# KiCad board jetson-agx-thor-baseboard.kicad_pcb (continued)
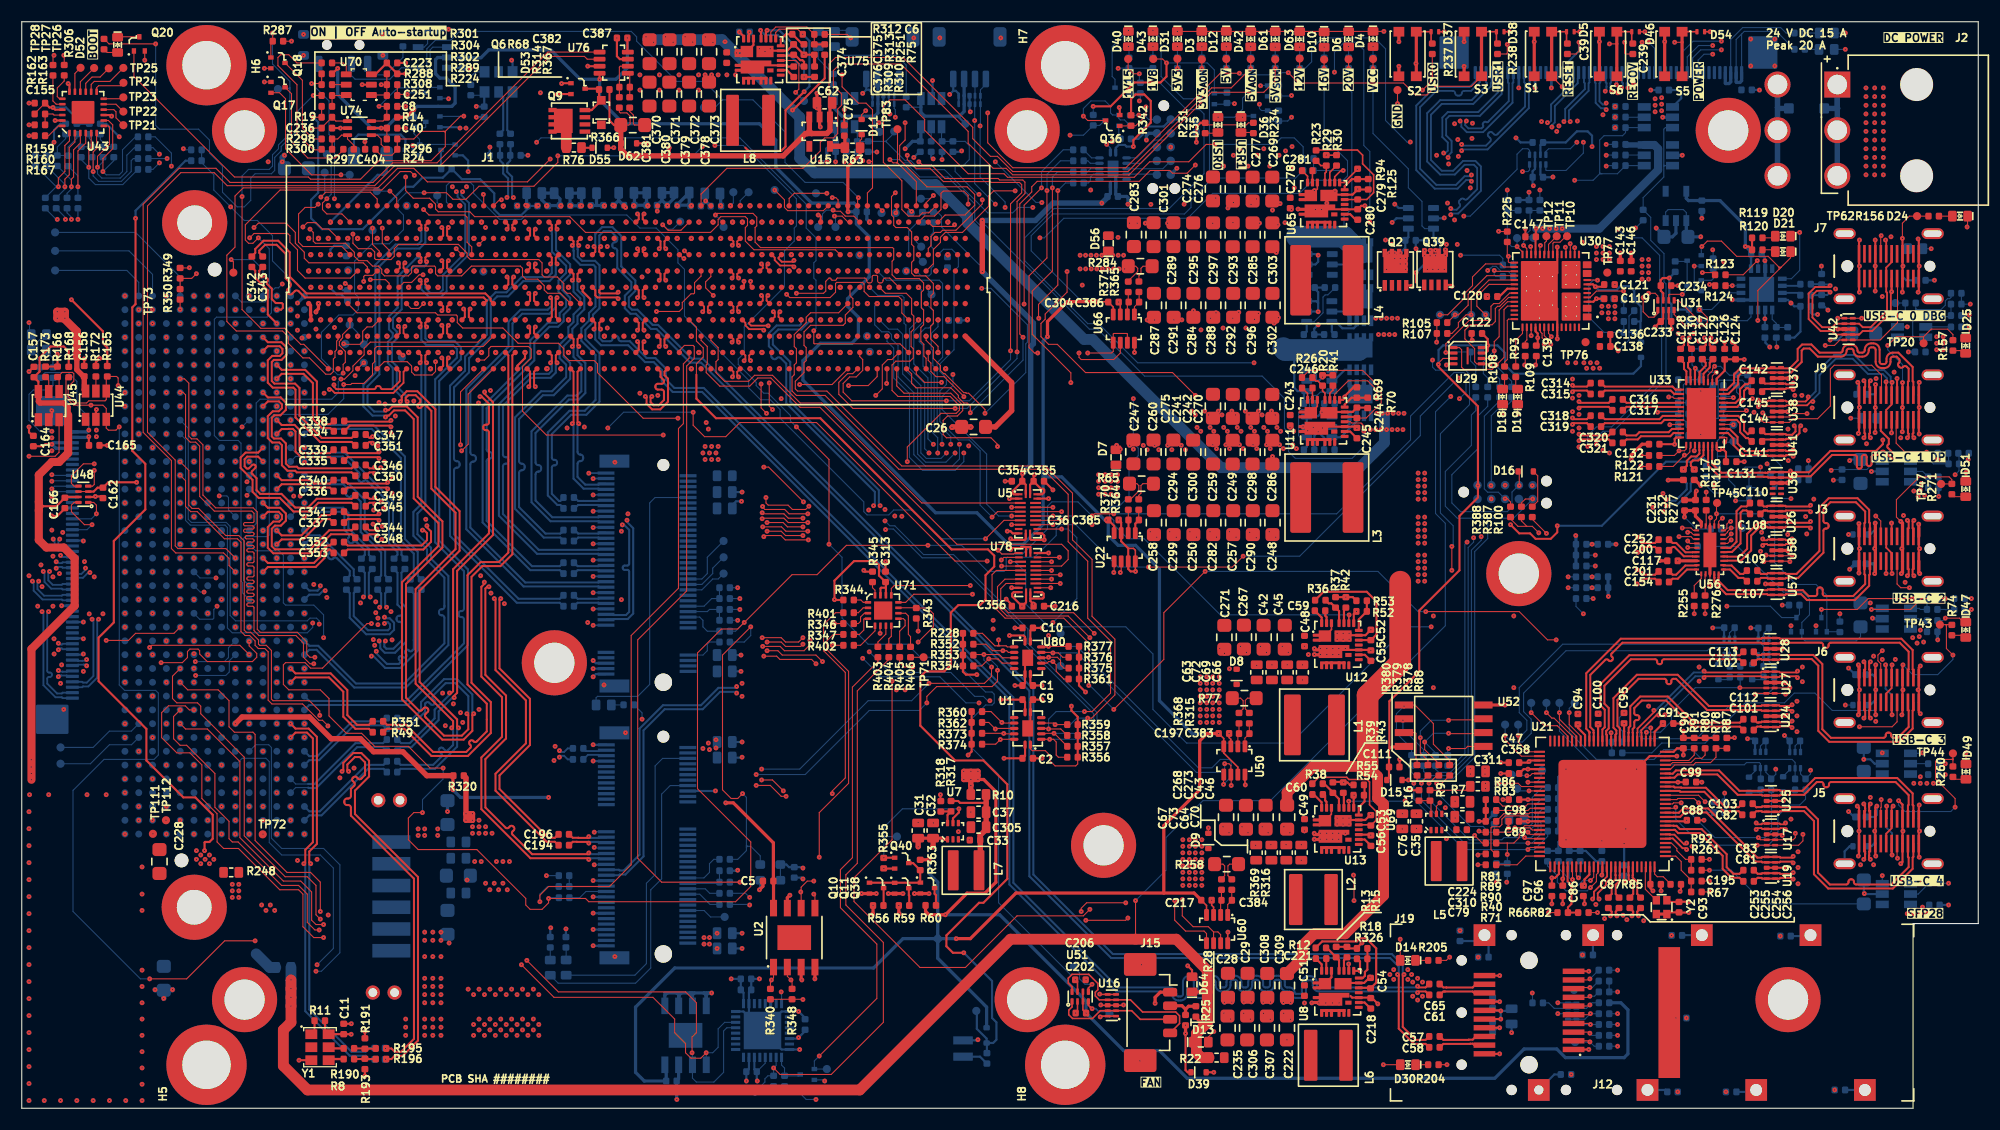
[diagram p0: board, top side]
## Routing (per net, layer and track width the routed paths; a pad name or vN(x,y) marks a point on that pad's centre or on a via; arc(x,y) is an arc through that point) (continued)
/USB DP Alt mode/USBC1_TX2_P: length 4.1
  Top w0.19: C142.1 159.13,66.96 158.81,66.65 158.54,66.65 158.08,66.19 158.08,65.34 157.67,64.92 156.9,64.92 156.88,64.94 U33.37
/USB DP Alt mode/USBC1_VBUS: length 23.7
  Top w0.1: v1(171.67,70.21) 172.47,71.01 174.97,71.01 ; 174.97,71.01 175.67,71.71 177.17,71.71 177.67,71.21 R157.2 ; 174.97,71.01 TP20.1
  Top w0.2: v1(173.01,62.26) 173.03,62.28 J9.B4 173.03,64.48 v1(173.02,64.49) 173.03,64.5 J9.A9 v1(173.03,66.79) ; v1(170.55,66.61) 170.53,66.59 J9.A4 v1(170.53,64.49) J9.B9 170.53,62.21 v1(170.51,62.19)
  Bottom w0.1: v1(171.67,70.21) 171.67,69.81 173.03,68.45 v1(173.03,66.79) ; 170.47,63.51 170.53,63.57
  Bottom w0.2: v1(170.55,66.61) 170.55,65.79 170.47,65.71 C153.1 ; v1(170.53,64.49) 170.53,63.65 D22.1
  vias: v1(145.37,73.81) v1(145.37,73.21) v1(145.97,73.81) v1(145.97,73.21) v1(145.97,72.66) v1(146.57,73.81) v1(146.57,73.21) v1(146.57,72.66)
/USB DP Alt mode/USBC_HPD: length 38.6
  In5.Cu w0.1: v1(134.87,77.11) 134.87,76.41 136.37,74.91 136.37,67.01 143.12,60.26 144.62,60.26 145.32,60.96 149.67,60.96 152.42,58.21 154.77,58.21 v1(155.67,57.31)
  Bottom w0.1: 135.15,77.33 135.07,77.24 135.07,77.21 ; 135.15,77.33 135.31,77.49 135.64,77.49 136.1,77.02 136.76,77.02 R106.1 ; 135.15,77.33 135.09,77.33 v1(134.87,77.11) ; R227.1 156,57.64 v1(155.67,57.31)
/USB DP Alt mode/USBSS1_RX_C_N: length 2.5
  Top w0.19: C129.2 155.59,68.92 155.29,68.62 155.29,68.17 154.72,67.6 154.72,67.3 154.74,67.29 U33.4
/USB DP Alt mode/USBSS1_RX_C_P: length 2.5
  Top w0.19: C127.2 154.62,68.92 154.92,68.62 154.92,68.33 154.35,67.75 154.35,67.3 154.33,67.29 U33.5
/USB DP Alt mode/USBSS1_TX_C_N: length 2.3
  Top w0.19: C130.2 153.61,68.91 153.3,68.6 153.3,68.19 153.52,67.97 153.52,67.3 153.54,67.29 U33.7
/USB DP Alt mode/USBSS1_TX_C_P: length 2.3
  Top w0.19: U33.8 153.14,67.29 153.15,67.3 153.15,67.82 152.93,68.04 152.93,68.6 152.61,68.91 C128.2
/USB Hub/CFG_STRAP1: length 6.9
  Top w0.1: R87.1 R78.2 155.87,32.31 155.37,31.81 153.99,31.81 153.78,31.6 152.08,31.6 151.69,31.21 U21.21
/USB Hub/CFG_STRAP2: length 4.7
  Top w0.1: U21.22 151.67,31.61 151.87,31.81 153.57,31.81 153.97,32.21 154.57,32.21 154.87,32.51 R80.2
/USB Hub/CFG_STRAP3: length 3.5
  Top w0.1: R91.2 153.87,32.51 153.37,32.01 U21.23
/USB Hub/DP1_DISCH: length 5.6
  Top w0.1: v1(138.87,36.41) 140.07,35.21 141.27,35.21 142.22,34.26 U21.46
  Bottom w0.1: v1(138.87,36.41) TP66.1
/USB Hub/DP1_VCONN1: length 30.2
  Top w0.1: v1(142.37,36.41) 142.37,35.31 143.42,34.26 U21.43
  Bottom w0.1: R334.1 Q27.2 163.15,31.83 162.87,32.11 154.57,32.11 153.67,33.01 151.07,33.01 150.17,32.11 144.87,32.11 142.37,34.61 v1(142.37,36.41) 142.37,36.81 TP67.1
/USB Hub/DP1_VCONN2: length 27.2
  Top w0.1: v1(141.47,36.41) 141.47,35.81 143.02,34.26 U21.44
  Bottom w0.1: TP68.1 v1(141.47,36.41) 141.47,34.71 144.57,31.61 158.47,31.61 158.67,31.81 159.87,31.81 159.96,31.72 Q29.2 159.99,31.28 R335.1
/USB Hub/DP2_DISCH: length 4.6
  Top w0.1: U21.45 142.62,34.26 140.97,35.91 140.77,35.91 v1(140.27,36.41)
  Bottom w0.1: TP65.1 v1(140.27,36.41)
/USB Hub/DP2_VCONN1: length 35.2
  Top w0.1: v1(137.67,34.31) 137.67,33.71 138.57,32.81 U21.51
  Bottom w0.1: R328.1 160.25,41.69 160.25,42.53 160.07,42.71 141.77,42.71 137.77,38.71 137.77,36.41 138.47,35.71 138.47,34.81 137.97,34.31 v1(137.67,34.31) TP69.1
/USB Hub/DP2_VCONN2: length 34.5
  Top w0.1: v1(136.47,34.31) 136.47,33.91 137.97,32.41 U21.52
  Bottom w0.1: TP70.1 v1(136.47,34.31) 137.07,33.71 138.07,33.71 138.87,34.51 138.87,35.81 138.17,36.51 138.17,38.21 142.07,42.11 155.07,42.11 155.37,42.41 156.97,42.41 157.11,42.27 Q26.2 157.14,41.69 R329.1
/USB Hub/HUB_SPI_CE_N: length 7.7
  Top w0.1: 136.67,24.41 137.27,24.41 137.77,24.91 137.77,25.21 138.37,25.81 138.77,25.81 138.97,25.61 U21.69 ; 136.67,24.41 v1(136.67,23.36) ; 136.67,24.41 R90.1
  Bottom w0.1: v1(136.67,23.36) R322.2 R321.1
/USB Hub/HUB_SPI_CLK: length 10.2
  Top w0.1: U21.68 138.27,26.01 138.07,25.81 v1(137.37,25.81) 136.97,25.41 R89.1
  Bottom w0.1: R325.2 139.87,29.51 138.97,28.61 138.97,26.21 138.57,25.81 v1(137.37,25.81)
/USB Hub/HUB_SPI_D0: length 18.3
  Top w0.1: v1(130.17,29.91) 130.65,29.91 R88.1 ; v1(138.57,25.41) 138.77,25.21 U21.70
  Bottom w0.1: R324.2 139.87,28.51 139.27,27.91 139.27,26.11 v1(138.57,25.41) 135.47,25.41 ; 135.47,25.41 134.97,25.41 134.44,25.94 133.29,25.94 130.17,29.06 v1(130.17,29.91) ; 135.47,25.41 R323.1
/USB Hub/HUB_SPI_D1: length 19
  Top w0.1: v1(138.27,24.91) 138.37,24.81 U21.71 ; R378.1 130.19,30.63 v1(129.47,29.91) 129.64,29.91 ; 130.36,30.63 130.57,30.63
  Bottom w0.1: R327.2 139.87,27.51 139.49,27.14 139.49,25.53 138.87,24.91 v1(138.27,24.91) 136.37,24.91 136.17,24.71 133.17,24.71 129.47,28.41 v1(129.47,29.91)
/USB Hub/HUB_SPI_D2: length 18.4
  Top w0.1: R379.1 128.77,30.03 v1(128.77,29.91) ; U21.72 v1(138.57,24.41)
  Bottom w0.1: R239.2 139.97,26.51 139.77,26.31 139.77,25.21 138.97,24.41 v1(138.57,24.41) 132.72,24.41 128.77,28.36 v1(128.77,29.91)
/USB Hub/HUB_SPI_D3: length 18.7
  Top w0.1: R380.1 128.37,30.21 v1(128.07,29.91) ; U21.73 138.77,24.01 v1(138.57,23.81)
  Bottom w0.1: v1(128.07,29.91) 128.07,28.46 132.72,23.81 v1(138.57,23.81) 139.17,23.81 140.39,25.03 R194.2
/USB Hub/HUB_~{HOLD}: length 4.1
  Top w0.1: U52.7 128.2,34.58 128.27,34.51 128.27,32.21 128.37,32.11 R380.2
/USB Hub/HUB_~{WP}: length 9.7
  Top w0.1: v1(128.67,34.11) 128.67,32.71 129.37,32.01 R379.2 ; v1(131.27,35.71) 131.3,35.75 134.37,35.75 U52.3
  Bottom w0.1: v1(131.27,35.71) 129.67,35.71 128.67,34.71 v1(128.67,34.11)
/USB Hub/PRT_CTL1: length 43.9
  Top w0.1: U21.60 v1(138.67,29.21)
  In5.Cu w0.1: v1(174.77,20.71) 173.47,20.71 172.77,21.41 v1(171.17,21.41) 166.37,21.41 163.67,24.11 160.47,24.11 160.07,23.71 156.07,23.71 153.67,26.11 141.77,26.11 v1(138.67,29.21)
  Bottom w0.1: v1(174.77,20.71) 174.72,20.66 U20.4 ; U20.3 v1(171.17,21.41) ; TP1.1 137.77,29.21 v1(138.67,29.21)
/USB Hub/PRT_CTL2: length 43.3
  Top w0.1: U21.58 v1(138.57,30.01)
  In5.Cu w0.1: v1(138.57,30.01) 139.17,30.01 139.67,30.51 139.67,31.91 141.37,33.61 164.87,33.61 165.77,32.71 v1(171.17,32.71) v1(174.87,32.71)
  Bottom w0.1: U18.3 v1(171.17,32.71) ; U18.4 174.82,32.66 v1(174.87,32.71) ; v1(138.57,30.01) 139.37,30.01 139.77,30.41 139.77,31.01 TP2.1
/USB Hub/PRT_CTL3: length 2.7
  Top w0.1: v1(138.47,30.61) 138.77,30.61 138.97,30.81 U21.56
  Bottom w0.1: v1(138.47,30.61) 137.17,30.61 TP6.1
/USB Hub/PRT_CTL4: length 3.9
  Top w0.1: v1(135.87,29.91) 137.67,29.91 137.97,29.61 U21.59
/USB Hub/TEST1: length 4.3
  Top w0.1: R86.2 136.25,27.81 138.37,27.81 138.57,28.01 U21.63
/USB Hub/TEST2: length 4.1
  Top w0.1: U21.64 138.77,27.61 138.57,27.41 R83.2
/USB Hub/TEST3: length 4.3
  Top w0.1: U21.65 138.77,27.21 138.67,27.11 136.35,27.11 R81.2
/USB Hub/USBC3_CC_{1}: length 35.8
  Top w0.1: v1(149.87,35.01) 149.87,33.85 U21.27 ; v1(171.17,42.11) 170.77,41.71 170.77,41.18 171.03,40.92 J6.A5 ; v1(162.27,38.11) 162.19,38.19 U28.5 159.54,38.19 v1(159.47,38.11)
  In5.Cu w0.1: v1(171.17,42.11) 169.97,42.11 169.47,42.61 166.47,42.61 165.27,41.41 165.27,39.71 163.67,38.11 v1(162.27,38.11)
  Bottom w0.1: v1(149.87,35.01) 149.17,35.01 148.87,34.71 148.87,34.21 149.07,34.01 154.07,34.01 158.17,38.11 v1(159.47,38.11) 160.61,38.11 161.21,38.71 R330.2
/USB Hub/USBC3_CC_{2}: length 34.4
  Top w0.1: v1(158.07,38.71) 158.09,38.69 U28.4 162.64,38.69 v1(162.67,38.71) ; v1(169.07,35.11) 172.07,35.11 172.53,35.57 J6.B5 ; U21.28 149.42,34.46 149.47,34.51 v1(149.47,34.61)
  In5.Cu w0.1: v1(162.67,38.71) 161.97,38.71 161.67,38.41 161.67,37.81 161.87,37.61 162.57,37.61 162.79,37.84 164.24,37.84 165.97,36.11 165.97,35.01 166.57,34.41 168.37,34.41 v1(169.07,35.11)
  Bottom w0.1: R331.2 158.1,38.74 v1(158.07,38.71) 153.97,38.71 151.77,36.51 151.77,35.61 150.77,34.61 v1(149.47,34.61)
/USB Hub/USBC3_CONN_TX1_N: length 22.7
  Top w0.19: v1(170.08,41.09) 169.97,40.98 169.97,40.39 170.03,40.33 J6.A3 ; v1(162.87,35.04) 162.75,35.15 161.75,35.15 161.68,35.09 U24.1 U24.10 160.09,35.09 160.02,35.15 159.97,35.15 159.95,35.13 159.66,35.13 159.34,34.81
  In7.Cu w0.15: v1(162.87,35.04) 162.71,35.2 162.39,35.2 161.53,36.05 161.53,41.07 163.41,42.95 169.13,42.95 169.92,42.16 169.92,41.25 v1(170.08,41.09)
/USB Hub/USBC3_CONN_TX1_P: length 22.7
  Top w0.19: v1(169.48,41.09) 169.59,40.98 169.59,40.39 169.53,40.33 J6.A2 ; C112.1 159.66,35.5 159.81,35.5 159.83,35.52 160.02,35.52 160.09,35.59 U24.9 U24.2 161.68,35.59 161.75,35.52 162.75,35.52 v1(162.87,35.64)
  In7.Cu w0.15: v1(162.87,35.64) 162.71,35.47 162.5,35.47 161.81,36.17 161.81,40.95 163.53,42.67 164.87,42.67 arc(164.97,42.63) 165.01,42.53 165.01,42.34 arc(165.05,42.25) 165.15,42.2 165.22,42.2 arc(165.32,42.25) 165.36,42.34 165.36,42.53 arc(165.4,42.63) 165.5,42.67 165.57,42.67 arc(165.67,42.63) 165.71,42.53 165.71,42.34 arc(165.75,42.25) 165.85,42.2 165.92,42.2 arc(166.02,42.25) 166.06,42.34 166.06,42.53 arc(166.1,42.63) 166.2,42.67 169.01,42.67 169.64,42.04 169.64,41.25 v1(169.48,41.09)
/USB Hub/USBC3_CONN_TX2_N: length 24.4
  Top w0.19: C102.1 159.37,41.01 159.69,41.33 159.9,41.33 159.92,41.35 160.02,41.35 160.09,41.28 U27.10 U27.1 161.68,41.28 161.75,41.35 164.67,41.35 165.28,40.73 165.28,34.73 166.29,33.73 172.75,33.73 173.97,34.94 173.97,36.61 174.03,36.68 J6.B2
/USB Hub/USBC3_CONN_TX2_P: length 24.4
  Top w0.19: J6.B3 173.53,36.68 173.59,36.61 173.59,35.1 172.59,34.1 172.19,34.1 arc(172.05,34.15) 171.99,34.3 171.99,34.37 arc(171.93,34.51) 171.79,34.57 171.69,34.57 arc(171.55,34.51) 171.49,34.37 171.49,34.3 arc(171.43,34.15) 171.29,34.1 166.45,34.1 165.65,34.89 165.65,40.89 164.82,41.72 161.75,41.72 161.68,41.78 U27.2 U27.9 160.09,41.78 160.02,41.72 159.78,41.72 159.75,41.7 159.69,41.7 159.37,42.01 C113.1
/USB Hub/USBC3_D+: length 39.9
  Top w0.17: v1(150.58,36.2) 150.4,36.2 149,34.79 149,34.58 149.02,34.56 U21.29 ; J6.A6 171.53,40.75 v1(171.47,40.81) ; v1(163.37,39.63) 163.24,39.76 161.76,39.76 161.68,39.68 U28.2 160.08,39.68 160.01,39.76 154.89,39.76 v1(154.77,39.63) ; v1(172.07,36.21) 172.03,36.25 J6.B6
  In7.Cu w0.125: v1(171.47,40.81) 171.66,41 171.66,41.56 172.02,41.92 173.12,41.92 173.78,41.26 173.78,40.46 173.14,39.82 163.56,39.82 v1(163.37,39.63)
  Bottom w0.17: v1(171.47,40.81) 171.47,38.61 172.07,38.01 v1(172.07,36.21) ; v1(150.58,36.2) 150.58,36.37 153.96,39.76 154.64,39.76 v1(154.77,39.63)
/USB Hub/USBC3_D-: length 35.8
  Top w0.17: v1(172.07,40.81) 172.03,40.77 J6.A7 172.03,38.67 171.53,38.17 J6.B7 ; v1(163.37,40.23) 163.24,40.11 161.76,40.11 161.68,40.18 U28.1 160.08,40.18 160.01,40.11 154.89,40.11 v1(154.77,40.23) ; v1(150.16,36.62) 150.16,36.45 148.65,34.94 148.65,34.58 148.62,34.56 U21.30
  In7.Cu w0.125: v1(172.07,40.81) 171.88,41 171.88,41.46 172.12,41.7 173.02,41.7 173.56,41.16 173.56,40.56 173.05,40.05 163.56,40.05 v1(163.37,40.23)
  Bottom w0.17: v1(154.77,40.23) 154.64,40.11 153.82,40.11 150.33,36.62 v1(150.16,36.62)
/USB Hub/USBC3_ISET: length 1.6
  Bottom w0.1: R73.2 175.39,31.71 U18.5
/USB Hub/USBC3_RX_{1}+: length 34.8
  Top w0.19: v1(170.08,35.91) 169.97,36.03 169.97,36.61 170.03,36.68 J6.B10 ; v1(162.87,36.53) 162.75,36.65 161.75,36.65 161.68,36.58 U24.4 U24.7 160.09,36.58 160.02,36.65 155.07,36.65 152.19,39.53 151.94,39.53 arc(151.82,39.47) 151.76,39.35 151.76,39.22 arc(151.71,39.09) 151.58,39.04 151.49,39.04 arc(151.37,39.09) 151.31,39.22 151.31,39.35 arc(151.26,39.47) 151.13,39.53 148.75,39.53 146.8,37.58 146.8,35.19 147.02,34.97 U21.34
  In7.Cu w0.15: v1(162.87,36.53) 163.03,36.7 164.49,36.7 165.33,35.85 165.33,34.85 166.41,33.77 168.93,33.77 169.92,34.76 169.92,35.75 v1(170.08,35.91)
/USB Hub/USBC3_RX_{1}-: length 34.8
  Top w0.19: v1(162.87,37.13) 162.75,37.02 161.75,37.02 161.68,37.08 U24.5 U24.6 160.09,37.08 160.02,37.02 155.22,37.02 152.35,39.9 148.59,39.9 146.43,37.74 146.43,35.03 146.7,34.76 146.7,34.46 146.62,34.38 U21.35 ; v1(169.48,35.91) 169.59,36.03 169.59,36.61 169.53,36.68 J6.B11
  In7.Cu w0.15: v1(169.48,35.91) 169.64,35.75 169.64,34.88 168.81,34.05 166.53,34.05 165.61,34.97 165.61,35.97 165.17,36.4 arc(165.14,36.49) 165.17,36.57 165.24,36.64 arc(165.27,36.72) 165.24,36.81 165.19,36.85 arc(165.11,36.88) 165.02,36.85 164.96,36.78 arc(164.88,36.75) 164.79,36.78 164.6,36.97 163.03,36.97 v1(162.87,37.13)
/USB Hub/USBC3_RX_{2}+: length 40.8
  Top w0.19: U21.40 144.62,34.56 144.61,34.57 144.61,34.78 144.3,35.09 144.3,39.88 145.69,41.27 arc(145.82,41.33) 145.95,41.27 146.02,41.2 arc(146.15,41.15) 146.27,41.2 146.34,41.27 arc(146.39,41.39) 146.34,41.52 146.27,41.59 arc(146.21,41.72) 146.27,41.85 147.27,42.85 160.02,42.85 160.09,42.78 U27.7 U27.4 161.68,42.78 161.75,42.85 165.53,42.85 arc(165.67,42.79) 165.73,42.65 165.73,42.57 arc(165.79,42.43) 165.93,42.37 166.03,42.37 arc(166.17,42.43) 166.23,42.57 166.23,42.65 arc(166.29,42.79) 166.43,42.85 172.77,42.85 173.59,42.02 173.59,40.39 173.53,40.33 J6.A10
/USB Hub/USBC3_RX_{2}-: length 40.8
  Top w0.19: J6.A11 174.03,40.33 173.97,40.39 173.97,42.18 172.93,43.22 161.75,43.22 161.68,43.28 U27.5 U27.6 160.09,43.28 160.02,43.22 147.11,43.22 143.93,40.04 143.93,34.93 144.24,34.63 144.24,34.57 144.22,34.56 U21.41
/USB Hub/USBC3_TX_{1}+: length 15.2
  Top w0.19: C101.2 158.07,35.12 153.7,35.12 151.29,37.53 149.05,37.53 148.35,36.83 148.35,36.36 arc(148.41,36.23) 148.53,36.18 148.64,36.18 arc(148.77,36.12) 148.82,36 148.82,35.91 arc(148.77,35.78) 148.64,35.73 148.53,35.73 arc(148.41,35.67) 148.35,35.55 148.35,35.06 148.21,34.91 148.21,34.57 148.22,34.56 U21.31
/USB Hub/USBC3_TX_{1}-: length 15.2
  Top w0.19: C112.2 158.07,35.49 153.85,35.49 151.45,37.9 148.89,37.9 147.98,36.99 147.98,35.18 147.84,35.03 147.84,34.57 147.82,34.56 U21.32
/USB Hub/USBC3_TX_{2}+: length 19.9
  Top w0.19: C102.2 158.36,41.01 158.05,41.33 151.09,41.33 arc(150.96,41.27) 150.91,41.15 150.91,41.05 arc(150.86,40.93) 150.73,40.87 150.64,40.87 arc(150.51,40.93) 150.46,41.05 150.46,41.15 arc(150.41,41.27) 150.28,41.33 148.05,41.33 145.6,38.88 145.6,37.24 146,36.84 146,34.96 145.77,34.73 145.77,34.41 145.82,34.36 U21.37
/USB Hub/USBC3_TX_{2}-: length 19.9
  Top w0.19: U21.38 145.42,33.8 145.42,34.86 145.62,35.06 145.63,35.06 145.63,36.68 145.23,37.08 145.23,39.04 147.89,41.7 158.05,41.7 158.36,42.01 C113.2
/USB Hub/USBC3_VBUS: length 50.8
  Top w0.1: 177.07,44.46 177.02,44.51 ; 177.07,44.46 177.07,44.36 ; 177.07,44.46 177.12,44.51 ; 177.02,44.51 177.07,44.51 ; 177.02,44.51 TP43.1 ; R74.2 177.55,44.51 177.12,44.51 ; 177.07,44.36 177.07,44.51 ; 177.07,44.36 177.07,42.31 v1(177.67,41.71) ; 177.07,44.51 177.12,44.51
  Top w0.2: v1(172.97,36.21) 173.03,36.27 J6.B4 173.03,38.47 v1(173.07,38.51) 173.03,38.55 J6.A9 173.03,40.77 v1(173.07,40.81) ; v1(170.57,36.21) 170.53,36.25 J6.B9 170.53,38.47 v1(170.57,38.51) 170.53,38.55 J6.A4 170.53,40.77 v1(170.57,40.81)
  Bottom w0.1: v1(173.07,40.81) 173.97,39.91 176.27,39.91 177.67,41.31 v1(177.67,41.71) ; R263.2 149.97,32.71 150.87,33.61 154.87,33.61 158.57,37.31 162.17,37.31 163.07,38.21 164.97,38.21 166.57,36.61 170.37,36.61 170.57,36.81 170.57,37.61
  Bottom w0.2: D45.1 170.07,37.11 170.57,37.61 v1(170.57,38.51) 170.57,39.61 170.27,39.91 C80.1
/USB Hub/USBC3_VBUS_MON: length 2.6
  Top w0.1: v1(146.22,34.56) 146.22,34.47 146.22,34.47 U21.36
  Bottom w0.1: R263.1 R262.2 146.22,33.78 v1(146.22,34.56)
/USB Hub/USBC4_CC_{1}: length 34.6
  Top w0.1: U21.12 152.07,27.61 v1(152.17,27.71) ; J5.A5 171.03,27.67 171.07,27.71 v1(171.07,28.41) ; v1(163.87,25.21) 163.87,24.61 163.47,24.21 U25.6 U25.5 159.67,24.21 v1(159.67,24.21)
  In5.Cu w0.1: v1(163.87,25.21) 165.37,26.71 170.47,26.71 171.07,27.31 v1(171.07,28.41)
  Bottom w0.1: v1(152.17,27.71) 152.17,26.61 154.57,24.21 v1(159.67,24.21) 160.67,24.21 161.57,25.11 161.57,26.91 162.57,27.91 163.57,27.91 164.11,28.45 R336.2
/USB Hub/USBC4_CC_{2}: length 31.5
  Top w0.1: J5.B5 172.53,23.05 v1(172.57,23.01) ; v1(159.77,24.91) 159.97,24.71 U25.4 U25.7 162.97,24.71 163.17,24.91 v1(163.17,25.31) ; v1(152.67,28.11) 151.97,28.11 151.87,28.01 U21.13
  In5.Cu w0.1: v1(163.17,25.31) 163.17,25.01 163.47,24.71 166.27,24.71 166.67,24.31 171.97,24.31 172.57,23.71 v1(172.57,23.01)
  Bottom w0.1: R337.2 160.97,29.29 160.97,25.51 160.37,24.91 v1(159.77,24.91) 155.77,24.91 152.67,28.01 v1(152.67,28.11)
/USB Hub/USBC4_CONN_TX1_N: length 21.4
  Top w0.19: v1(162.97,21.69) 162.85,21.57 161.79,21.57 161.72,21.64 U19.2 U19.9 160.12,21.64 160.06,21.57 159.97,21.57 159.96,21.58 159.7,21.58 159.37,21.91 C83.1 ; J5.A3 170.03,27.33 169.97,27.39 169.97,27.75 169.95,27.76 169.95,27.9 v1(170.07,28.01)
  In7.Cu w0.15: v1(170.07,28.01) 169.91,27.85 169.91,24.75 169.03,23.87 165.91,23.87 165.31,24.47 163.59,24.47 arc(163.49,24.43) 163.45,24.33 163.45,24.26 arc(163.41,24.17) 163.31,24.12 163.24,24.12 arc(163.14,24.17) 163.1,24.26 163.1,24.33 arc(163.06,24.43) 162.96,24.47 162.63,24.47 161.81,23.65 161.81,21.77 162.05,21.52 162.81,21.52 v1(162.97,21.69)
/USB Hub/USBC4_CONN_TX1_P: length 21.4
  Top w0.19: v1(169.47,28.01) 169.58,27.9 169.58,27.62 169.59,27.61 169.59,27.39 169.53,27.33 J5.A2 ; C81.1 159.37,20.89 159.7,21.21 159.82,21.21 159.83,21.2 160.06,21.2 160.12,21.14 U19.10 U19.1 161.72,21.14 161.79,21.2 162.85,21.2 v1(162.97,21.09)
  In7.Cu w0.15: v1(162.97,21.09) 162.81,21.25 161.94,21.25 161.53,21.65 161.53,23.77 162.51,24.75 165.43,24.75 166.03,24.15 168.91,24.15 169.63,24.87 169.63,27.85 v1(169.47,28.01)
/USB Hub/USBC4_CONN_TX2_N: length 23.8
  Top w0.19: J5.B3 173.53,23.14 173.59,23.08 173.59,22.2 171.99,20.59 168.76,20.59 arc(168.62,20.65) 168.56,20.8 168.56,20.87 arc(168.5,21.01) 168.36,21.07 168.26,21.07 arc(168.12,21.01) 168.06,20.87 168.06,20.8 arc(168,20.65) 167.86,20.59 166.35,20.59 165.25,21.69 165.25,26.59 164.12,27.72 161.79,27.72 161.72,27.79 U17.2 U17.9 160.12,27.79 160.06,27.72 159.63,27.72 159.61,27.71 159.57,27.71 159.24,28.04
/USB Hub/USBC4_CONN_TX2_P: length 23.8
  Top w0.19: C82.1 159.57,27.34 159.75,27.34 159.77,27.35 160.06,27.35 160.12,27.29 U17.10 U17.1 161.72,27.29 161.79,27.35 163.97,27.35 164.88,26.43 164.88,21.53 166.19,20.22 172.15,20.22 173.97,22.04 173.97,23.08 174.03,23.14 J5.B2
/USB Hub/USBC4_D+: length 40.8
  Top w0.17: v1(172.07,23.31) 172.03,23.35 J5.B6 ; J5.A6 171.57,26.68 v1(171.57,27.81) ; v1(153.17,23.81) 153.04,23.94 152.8,23.94 151.9,24.84 151.64,24.84 151.62,24.81 U21.5 ; v1(159.57,26.26) 159.69,26.14 160.05,26.14 160.12,26.21 U25.1 U25.10 161.72,26.21 161.8,26.14 162.14,26.14 v1(162.27,26.26)
  In7.Cu w0.125: v1(153.17,23.81) 152.98,24 152.62,24 152.16,24.46 152.16,25.36 152.87,26.07 159.38,26.07 v1(159.57,26.26) ; v1(171.57,27.81) 171.76,27.62 171.76,27.26 172.12,26.9 172.92,26.9 173.28,27.26 173.28,29.26 172.12,30.42 166.72,30.42 165.46,29.16 165.46,27.86 163.67,26.07 162.46,26.07 v1(162.27,26.26)
  Bottom w0.17: v1(171.57,27.81) 171.57,25.81 172.07,25.31 v1(172.07,23.31)
/USB Hub/USBC4_D-: length 36.4
  Top w0.17: v1(172.17,27.81) 172.03,27.67 J5.A7 172.03,25.77 171.53,25.27 J5.B7 ; v1(159.57,25.66) 159.69,25.79 160.05,25.79 160.12,25.71 U25.2 U25.9 161.72,25.71 161.8,25.79 162.14,25.79 v1(162.27,25.66) ; v1(153.17,24.41) 153.04,24.28 152.94,24.28 152.04,25.19 151.64,25.19 151.62,25.21 U21.6
  In7.Cu w0.125: v1(172.17,27.81) 171.98,27.62 171.98,27.36 172.22,27.12 172.82,27.12 173.06,27.36 173.06,29.16 172.02,30.2 166.82,30.2 165.68,29.06 165.68,27.76 163.77,25.85 162.46,25.85 v1(162.27,25.66) ; v1(153.17,24.41) 152.98,24.22 152.72,24.22 152.38,24.56 152.38,25.26 152.97,25.85 155.48,25.85 arc(155.58,25.81) 155.62,25.71 155.62,25.49 arc(155.66,25.4) 155.76,25.35 155.83,25.35 arc(155.93,25.4) 155.97,25.49 155.97,25.71 arc(156.01,25.81) 156.11,25.85 159.38,25.85 v1(159.57,25.66)
/USB Hub/USBC4_ISET: length 2.1
  Bottom w0.1: R259.2 175.47,20.71 174.47,19.71 U20.5
/USB Hub/USBC4_RX_{1}+: length 24.8
  Top w0.19: U21.10 151.97,26.81 151.98,26.83 152.58,26.83 152.98,27.23 154.99,27.23 159.52,22.7 160.06,22.7 160.12,22.64 U19.7 U19.4 161.72,22.64 161.79,22.7 162.85,22.7 v1(162.97,22.59) ; J5.B10 170.03,23.68 169.97,23.61 169.97,23.27 169.95,23.26 169.95,23.03 v1(170.07,22.91)
  In7.Cu w0.15: v1(162.97,22.59) 163.13,22.75 164.04,22.75 165.91,20.87 169.03,20.87 169.91,21.75 169.91,22.75 v1(170.07,22.91)
/USB Hub/USBC4_RX_{1}-: length 24.8
  Top w0.19: v1(169.47,22.91) 169.58,23.03 169.58,23.4 169.59,23.41 169.59,23.61 169.53,23.68 J5.B11 ; v1(162.97,23.19) 162.85,23.07 161.79,23.07 161.72,23.14 160.12,23.14 160.06,23.07 159.67,23.07 155.15,27.6 152.85,27.6 152.45,27.2 151.98,27.2 151.97,27.21 U21.11
  In7.Cu w0.15: v1(162.97,23.19) 163.13,23.02 164.15,23.02 166.03,21.15 167.83,21.15 arc(167.93,21.19) 167.97,21.29 167.97,21.36 arc(168.01,21.45) 168.11,21.5 168.18,21.5 arc(168.28,21.45) 168.32,21.36 168.32,21.29 arc(168.36,21.19) 168.46,21.15 168.91,21.15 169.63,21.87 169.63,22.75 v1(169.47,22.91)
/USB Hub/USBC4_RX_{2}+: length 27.2
  Top w0.19: U21.19 151.62,30.41 151.63,30.42 152.05,30.42 152.35,30.73 155.99,30.73 157.87,28.85 160.06,28.85 160.12,28.78 161.72,28.78 161.79,28.85 163.97,28.85 165.15,30.03 165.56,30.03 arc(165.71,29.97) 165.76,29.83 165.76,29.75 arc(165.82,29.61) 165.96,29.55 166.06,29.55 arc(166.21,29.61) 166.26,29.75 166.26,29.83 arc(166.32,29.97) 166.46,30.03 172.39,30.03 173.59,28.82 173.59,27.92 173.53,27.86 J5.A10
/USB Hub/USBC4_RX_{2}-: length 27.2
  Top w0.19: U21.20 151.62,30.81 151.63,30.79 151.89,30.79 152.19,31.1 156.15,31.1 158.02,29.22 160.06,29.22 160.12,29.28 161.72,29.28 161.79,29.22 163.82,29.22 164.99,30.4 172.55,30.4 173.97,28.98 173.97,27.92 174.03,27.86 J5.A11
/USB Hub/USBC4_TX_{1}+: length 9.9
  Top w0.19: U21.7 151.97,25.61 151.98,25.63 152.09,25.63 152.39,25.33 154.39,25.33 156.48,23.23 156.48,22.03 157.31,21.21 158.04,21.21 158.36,20.89 C81.2
/USB Hub/USBC4_TX_{1}-: length 9.9
  Top w0.19: U21.8 151.97,26.01 151.98,26 152.25,26 152.55,25.7 154.55,25.7 156.85,23.39 156.85,22.19 157.46,21.58 158.04,21.58 158.36,21.91 C83.2
/USB Hub/USBC4_TX_{2}+: length 8
  Top w0.19: U21.16 152.51,29.21 152.59,29.13 154.79,29.13 156.58,27.34 157.96,27.34 C82.2
/USB Hub/USBC4_TX_{2}-: length 8
  Top w0.19: U21.17 151.99,29.61 152.07,29.53 152.65,29.53 152.68,29.5 154.95,29.5 156.73,27.71 157.96,27.71 C103.2
/USB Hub/USBC4_VBUS: length 44.7
  Top w0.1: 177.67,32.16 TP44.1 ; 177.67,32.16 177.67,32.11 ; 177.67,32.16 177.62,32.11 ; 177.67,32.11 177.57,32.11 ; 177.67,32.11 177.67,32.06 ; 177.57,32.11 176.27,32.11 176.07,31.91 176.07,30.31 177.87,28.51 v1(177.87,27.71) ; 177.57,32.11 177.62,32.11 ; R261.2 v1(155.27,21.91) ; 177.67,32.06 177.62,32.11 ; 177.67,32.06 R260.2
  Top w0.2: v1(172.87,22.51) 173.03,22.67 J5.B4 173.03,25.47 v1(173.07,25.51) 173.03,25.55 J5.A9 173.03,27.95 v1(172.67,28.31) ; v1(170.67,27.81) 170.53,27.67 J5.A4 170.53,25.57 v1(170.47,25.51) 170.53,25.45 J5.B9 170.53,23.25 v1(170.57,23.21)
  Bottom w0.1: v1(172.67,28.31) 172.67,27.91 173.27,27.31 177.47,27.31 v1(177.87,27.71) ; C105.1 160.37,18.81 157.27,21.91 v1(155.27,21.91)
  Bottom w0.2: D48.1 170.17,24.11 170.47,24.41 v1(170.47,25.51) ; C106.1 170.47,26.81 170.67,27.01 v1(170.67,27.81)
/USB Hub/USBC4_VBUS_MON: length 4.1
  Top w0.1: U21.4 151.77,24.41 152.27,23.91 152.27,23.71 153.07,22.91 R92.2 R261.1
/USB Hub/USBSS_RX_N: length 3.1
  Top w0.19: C256.2 148.93,19.42 148.62,19.72 148.62,20.82 148.21,21.23 148.21,21.45 148.22,21.46 U21.95
/USB Hub/USBSS_RX_P: length 3.1
  Top w0.19: U21.94 147.82,21.46 147.84,21.45 147.84,21.08 148.25,20.66 148.25,19.72 147.95,19.42 C254.2
/USB Hub/USBSS_TX_N: length 3.1
  Top w0.19: C255.2 146.95,19.42 146.64,19.72 146.64,20.57 147.01,20.94 147.01,21.45 147.02,21.46 U21.92
/USB Hub/USBSS_TX_P: length 3.1
  Top w0.19: C253.2 145.97,19.42 146.27,19.72 146.27,20.73 146.64,21.09 146.64,21.45 146.62,21.46 U21.91
/USB Hub/~{RESET}: length 4.8
  Top w0.1: R67.2 C195.2 153.59,20.99 152.67,21.91 152.67,22.71 152.17,23.21 U21.1
FLASH_PWR: length 74.8
  Top w0.1: v1(130.33,68.46) 130.35,68.48 130.35,68.59 130.77,69.01 U29.3
  Top w0.2: U29.8 134.77,70.01 134.87,70.11 134.87,70.31 ; D15.1 125.79,30.41 C111.2 125.79,33.04 126.06,33.31 U52.8 127.07,33.21 125.82,33.21 125.82,37.46 128.57,40.21 128.57,45.81 132.27,49.51 132.27,54.51 133.97,56.21 v1(133.97,57.31) 133.97,64.61 130.35,68.23 130.35,68.44 v1(130.33,68.46) ; U29.7 134.67,69.51 134.87,69.71 134.87,70.31 ; 134.87,70.51 134.87,70.79 C122.2 ; 134.87,70.51 v1(134.87,70.21) ; 134.87,70.51 134.87,70.31
  Bottom w0.1: v1(133.97,57.31) 133.94,57.34 J4.1
  Bottom w0.2: 134.27,70.21 134.25,70.19 R98.2 ; 134.27,70.21 v1(134.87,70.21) 135.77,70.21 136.47,69.51 136.47,68.41 137.27,67.61 148.27,67.61 148.97,68.31 D17.1 ; 134.27,70.21 130.77,70.21 130.35,69.79 130.35,68.48 v1(130.33,68.46)
SYS_VIN_HV: length 73.1
  Top w0.1: R370.2 102,56.05 102.77,56.81 102.77,57.31 102.59,57.49 R65.2 ; J1.G63 v1(85.02,77.06) ; v1(87.02,72.61) 87,72.59 J1.D65 ; TP5.1 v1(119.82,95.71)
  Top w0.3: v1(27.07,73.29) 27.07,73.36 27.3,73.59 J1.E2 ; J1.D1 26.6,72.98 26.57,73.01 26.57,73.89 J1.E1
  Top w0.5: J1.C65 91.07,66.79 91.07,64.21 89.57,62.71 C26.2